# KiCad board Output-mixer.kicad_pcb (continued)
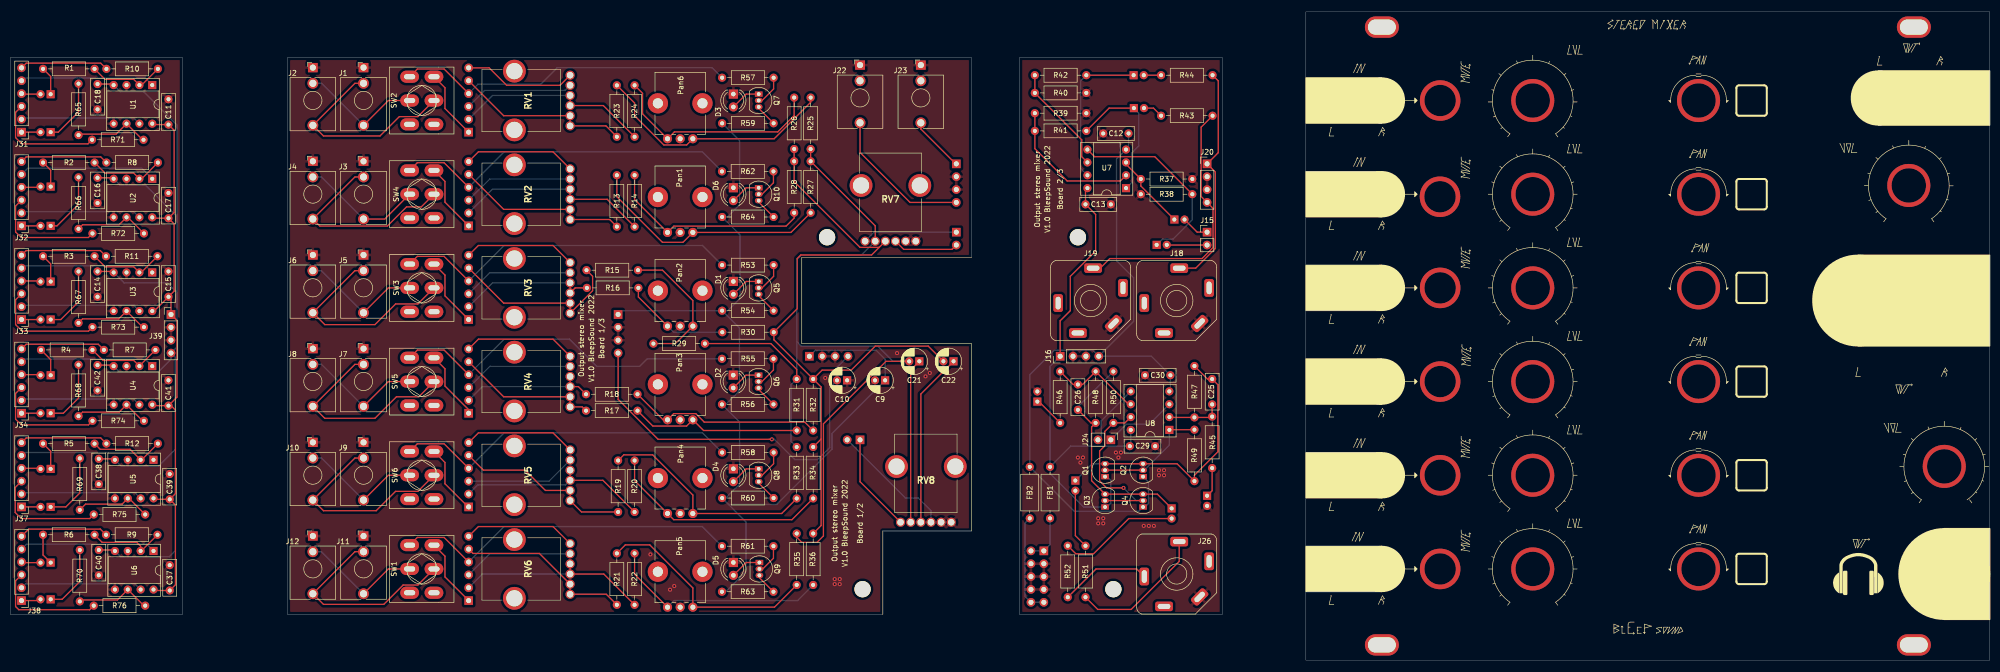
[diagram p0: board, top side]
## Nets
+12V: C9.1 C11.1 C13.1 C15.1 C17.1 C29.1 C37.1 C39.1 C41.1 FB1.1 J14.1 J16.1 J39.1 J40.1 Q1.1 Q3.1 R54.1 R56.1 R59.1 R60.1 R63.1 R64.1 U1.8 U2.8 U3.8 U4.8 U5.8 U6.8 U7.8 U8.8
-12V: C10.2 C12.2 C14.2 C16.2 C18.2 C30.1 C38.1 C40.1 C42.1 FB2.1 J14.4 J16.4 J39.4 J40.4 Q2.1 Q4.1 U1.4 U2.4 U3.4 U4.4 U5.4 U6.4 U7.4 U8.4
GND: C9.2 C10.1 C11.2 C12.1 C13.2 C14.1 C15.2 C16.1 C17.2 C18.1 C23.2 C24.2 C29.2 C30.2 C37.2 C38.2 C39.2 C40.2 C41.2 C42.2 D1.1 D2.1 D3.1 D4.1 D5.1 D6.1 J1.S J2.S J3.S J4.S J5.S J6.S J7.S J8.S J9.S J10.S J11.S J12.S J13.3 J13.4 J13.5 J13.6 J13.7 J13.8 J14.2 J14.3 J16.2 J16.3 J18.S J19.S J20.2 J20.3 J21.2 J21.3 J22.S J23.S J26.S J39.2 J39.3 J40.2 J40.3 Pan1.2 Pan2.2 Pan3.2 Pan4.2 Pan5.2 Pan6.2 R37.1 R38.1 R39.1 R40.1 RV7.3 RV7.6 RV8.3 RV8.6 U1.3 U1.5 U2.3 U2.5 U3.3 U3.5 U4.3 U4.5 U5.3 U5.5 U6.3 U6.5
/AmpL: C7.2 J15.1 J17.1 RV7.2
/AmpR: C8.2 J15.2 J17.2 RV7.5
/Headphones Amp/Head-L: J26.T R51.1
/Headphones Amp/Head-R: J26.R R52.1
/Headphones Amp/HeadAmpL: J24.1 J25.1 RV8.2 U8.3
/Headphones Amp/HeadAmpR: J24.2 J25.2 RV8.5 U8.5
/OutL: J19.T J20.4 J21.4 J22.T R43.1
/OutR: J18.T J20.1 J21.1 J23.T R44.1
L: C21.2 R25.2 R27.2 R29.2 R31.2 R33.2 R35.2 RV7.1
Left1_GOut: J27.3 J31.3 R71.1 RV1.6
Left1_In: C31.2 J27.1 J31.1 SW2.4
Left1_Out: J27.2 J31.2 R24.2 RV1.4 RV1.5 U1.7
Left2_GOut: J28.3 J32.3 R72.1 RV2.6
Left2_In: C32.2 J28.1 J32.1 SW4.4
Left2_Out: J28.2 J32.2 R14.2 RV2.4 RV2.5 U2.7
Left3_GOut: J29.3 J33.3 R73.1 RV3.6
Left3_In: C33.2 J29.1 J33.1 SW3.4
Left3_Out: J29.2 J33.2 R16.2 RV3.4 RV3.5 U3.7
Left4_GOut: J30.3 J34.3 R74.1 RV4.6
Left4_In: C34.2 J30.1 J34.1 SW5.4
Left4_Out: J30.2 J34.2 R18.2 RV4.4 RV4.5 U4.7
Left5_GOut: J35.3 J37.3 R75.1 RV5.6
Left5_In: C35.2 J35.1 J37.1 SW6.4
Left5_Out: J35.2 J37.2 R20.2 RV5.4 RV5.5 U5.7
Left6_GOut: J36.3 J38.3 R76.1 RV6.6
Left6_In: C36.2 J36.1 J38.1 SW1.4
Left6_Out: J36.2 J38.2 R22.2 RV6.4 RV6.5 U6.7
R: C22.2 R26.1 R28.1 R30.1 R32.1 R34.1 R36.1 RV7.4
Right1_GOut: J27.6 J31.6 R10.1 RV1.3
Right1_In: C1.2 J27.4 J31.4 R57.1 SW2.1
Right1_Out: J27.5 J31.5 R23.1 RV1.1 RV1.2 U1.1
Right2_GOut: J28.6 J32.6 R8.1 RV2.3
Right2_In: C2.2 J28.4 J32.4 R62.1 SW4.1
Right2_Out: J28.5 J32.5 R13.1 RV2.1 RV2.2 U2.1
Right3_GOut: J29.6 J33.6 R11.1 RV3.3
Right3_In: C3.2 J29.4 J33.4 R53.1 SW3.1
Right3_Out: J29.5 J33.5 R15.1 RV3.1 RV3.2 U3.1
Right4_GOut: J30.6 J34.6 R7.1 RV4.3
Right4_In: C4.2 J30.4 J34.4 R55.1 SW5.1
Right4_Out: J30.5 J34.5 R17.1 RV4.1 RV4.2 U4.1
Right5_GOut: J35.6 J37.6 R12.1 RV5.3
Right5_In: C5.2 J35.4 J37.4 R58.1 SW6.1
Right5_Out: J35.5 J37.5 R19.1 RV5.1 RV5.2 U5.1
Right6_GOut: J36.6 J38.6 R9.1 RV6.3
Right6_In: C6.2 J36.4 J38.4 R61.1 SW1.1
Right6_Out: J36.5 J38.5 R21.1 RV6.1 RV6.2 U6.1
Net-(C1-Pad1): C1.1 R1.2
Net-(C2-Pad1): C2.1 R2.2
Net-(C3-Pad1): C3.1 R3.2
Net-(C4-Pad1): C4.1 R4.2
Net-(C5-Pad1): C5.1 R5.2
Net-(C6-Pad1): C6.1 R6.2
Net-(C7-Pad1): C7.1 R37.2 U7.3
Net-(C8-Pad1): C8.1 R38.2 U7.5
Net-(C19-Pad1): C19.1 R41.1 U7.1
Net-(C19-Pad2): C19.2 R43.2
Net-(C20-Pad1): C20.1 R42.1 U7.7
Net-(C20-Pad2): C20.2 R44.2
Net-(C21-Pad1): C21.1 RV8.1
Net-(C22-Pad1): C22.1 RV8.4
Net-(C23-Pad1): C23.1 R45.1
Net-(C24-Pad1): C24.1 R46.1
Net-(C25-Pad1): C25.1 R45.2 R47.1 U8.2
Net-(C25-Pad2): C25.2 C27.1 Q1.3 Q2.3 R47.2 R49.2
Net-(C26-Pad1): C26.1 R46.2 R48.1 U8.6
Net-(C26-Pad2): C26.2 C28.1 Q3.3 Q4.3 R48.2 R50.2
Net-(C27-Pad2): C27.2 R51.2
Net-(C28-Pad2): C28.2 R52.2
Net-(C31-Pad1): C31.1 R65.2
Net-(C32-Pad1): C32.1 R66.2
Net-(C33-Pad1): C33.1 R67.2
Net-(C34-Pad1): C34.1 R68.2
Net-(C35-Pad1): C35.1 R69.2
Net-(C36-Pad1): C36.1 R70.2
Net-(D1-Pad2): D1.2 Q5.1
Net-(D2-Pad2): D2.2 Q6.1
Net-(D3-Pad2): D3.2 Q7.1
Net-(D4-Pad2): D4.2 Q8.1
Net-(D5-Pad2): D5.2 Q9.1
Net-(D6-Pad2): D6.2 Q10.1
Net-(FB1-Pad2): FB1.2 J13.1 J13.2
Net-(FB2-Pad2): FB2.2 J13.9 J13.10
Net-(J1-PadT): J1.T J2.TN SW2.2
Net-(J1-PadTN): J1.TN J2.T SW2.5
Net-(J3-PadT): J3.T J4.TN SW4.2
Net-(J3-PadTN): J3.TN J4.T SW4.5
Net-(J5-PadT): J5.T J6.TN SW3.2
Net-(J5-PadTN): J5.TN J6.T SW3.5
Net-(J7-PadT): J7.T J8.TN SW5.2
Net-(J7-PadTN): J7.TN J8.T SW5.5
Net-(J10-PadT): J9.TN J10.T SW6.5
Net-(J10-PadTN): J9.T J10.TN SW6.2
Net-(J11-PadT): J11.T J12.TN SW1.2
Net-(J11-PadTN): J11.TN J12.T SW1.5
Net-(Pan1-Pad1): Pan1.1 R13.2 R27.1
Net-(Pan1-Pad3): Pan1.3 R14.1 R28.2
Net-(Pan2-Pad1): Pan2.1 R15.2 R29.1
Net-(Pan2-Pad3): Pan2.3 R16.1 R30.2
Net-(Pan3-Pad1): Pan3.1 R17.2 R31.1
Net-(Pan3-Pad3): Pan3.3 R18.1 R32.2
Net-(Pan4-Pad1): Pan4.1 R19.2 R33.1
Net-(Pan4-Pad3): Pan4.3 R20.1 R34.2
Net-(Pan5-Pad1): Pan5.1 R21.2 R35.1
Net-(Pan5-Pad3): Pan5.3 R22.1 R36.2
Net-(Pan6-Pad1): Pan6.1 R23.2 R25.1
Net-(Pan6-Pad3): Pan6.3 R24.1 R26.2
Net-(Q1-Pad2): Q1.2 Q2.2 R49.1 U8.1
Net-(Q3-Pad2): Q3.2 Q4.2 R50.1 U8.7
Net-(Q5-Pad2): Q5.2 R53.2
Net-(Q5-Pad3): Q5.3 R54.2
Net-(Q6-Pad2): Q6.2 R55.2
Net-(Q6-Pad3): Q6.3 R56.2
Net-(Q7-Pad2): Q7.2 R57.2
Net-(Q7-Pad3): Q7.3 R59.2
Net-(Q8-Pad2): Q8.2 R58.2
Net-(Q8-Pad3): Q8.3 R60.2
Net-(Q9-Pad2): Q9.2 R61.2
Net-(Q9-Pad3): Q9.3 R63.2
Net-(Q10-Pad2): Q10.2 R62.2
Net-(Q10-Pad3): Q10.3 R64.2
Net-(R1-Pad1): R1.1 R10.2 U1.2
Net-(R2-Pad1): R2.1 R8.2 U2.2
Net-(R4-Pad1): R4.1 R7.2 U4.2
Net-(R6-Pad1): R6.1 R9.2 U6.2
Net-(R11-Pad2): R3.1 R11.2 U3.2
Net-(R12-Pad2): R5.1 R12.2 U5.2
Net-(R39-Pad2): R39.2 R41.2 U7.2
Net-(R40-Pad2): R40.2 R42.2 U7.6
Net-(R65-Pad1): R65.1 R71.2 U1.6
Net-(R66-Pad1): R66.1 R72.2 U2.6
Net-(R67-Pad1): R67.1 R73.2 U3.6
Net-(R68-Pad1): R68.1 R74.2 U4.6
Net-(R69-Pad1): R69.1 R75.2 U5.6
Net-(R70-Pad1): R70.1 R76.2 U6.6

Pads without a net: H1 1; H2 1; H3 1; H4 1; J18 R RN TN; J19 R RN TN; J22 TN; J23 TN; J26 RN TN; RV1 MH1 MH2; RV2 MH1 MH2; RV3 MH1 MH2; RV4 MH1 MH2; RV5 MH1 MH2; RV6 MH1 MH2; RV7 MH1 MH2; RV8 MH1 MH2; SW1 3 6; SW2 3 6; SW3 3 6; SW4 3 6; SW5 3 6; SW6 3 6

## Via types
v1: diameter 8.5, hole 6.8, Top to Bottom, 14 vias
v2: diameter 8, hole 6.2, Top to Bottom, 20 vias
v3: diameter 15, hole 11, Top to Bottom, 3 vias
v4: diameter 0.8, hole 0.4, Top to Bottom, 30 vias

## Routing (per net, layer and track width the routed paths; a pad name or vN(x,y) marks a point on that pad's centre or on a via; arc(x,y) is an arc through that point)
+12V: length 415.5
  Top w0.25: C17.1 32.37,86.13 32.37,72.87 C15.1 ; C17.1 28.23,87.25 U2.8 ; C17.1 32.37,88.37 32.37,104.63 C11.1 28.23,105.75 U1.8 ; U4.8 28.23,50.25 C41.1 ; C15.1 31.75,71.25 J39.1 32.92,67.08 32.92,51.92 C41.1 ; C15.1 28.43,68.93 U3.8 ; C41.1 31.75,50.25 32.62,49.38 32.62,32.87 C39.1 ; J16.1 207.25,67 209.25,69 209.25,75.78 214.25,80.78 214.25,88 C13.1 212.25,92.82 U7.8 ; C39.1 32.62,30.63 32.62,14.87 C37.1 28.48,13.75 U6.8 ; C39.1 28.48,31.75 U5.8
  Bottom w0.25: R54.1 141.66,69 144.05,71.39 144.05,83.98 R64.1 141.55,87.5 143.97,89.92 143.97,102.56 R59.1 ; R54.1 143.94,65.59 143.94,53.19 141.25,50.5 R56.1 143.97,47.03 143.97,34.73 141.25,32 R60.1 145.25,27.28 145.25,17.5 141.25,13.5 R63.1 ; R54.1 120.75,69 J40.1 ; FB1.1 205.25,36.86 211.88,30.23 Q3.1 216.48,30.23 217.25,31 217.25,35.5 216.52,36.23 Q1.1 ; FB1.1 209.34,42.25 C29.1 221.18,42.43 U8.8 ; FB1.1 205.25,58 J16.1 ; 141.79,30.74 151.29,30.74 162.2,41.65 162.2,44.74 C9.1 172.71,59.41 170.94,61.17 158.92,61.17 J14.1
-12V: length 403.5
  Top w0.25: C16.2 20.23,95.25 U2.4 ; U3.4 20.23,76.75 C14.2 ; U5.4 20.48,39.75 C38.1 ; C18.2 20.23,113.75 U1.4 ; v4(150.35,43.6) 127.89,43.6 120,51.49 J40.4 ; C42.1 20.23,58.25 U4.4 ; C40.1 20.48,21.75 U6.4
  Bottom w0.25: J39.4 32.92,61.8 32.92,72.58 ; J39.4 31.75,59.43 29.25,56.93 21.55,56.93 U4.4 ; J39.4 32.6,59.78 32.6,41.6 ; U5.4 21.98,38.25 29.25,38.25 32.6,41.6 ; 32.6,41.6 32.62,41.58 32.62,21.62 31.43,20.43 21.8,20.43 U6.4 ; Q2.1 224.68,35.16 224.68,30.93 223.98,30.23 Q4.1 222.76,29.38 210.03,29.38 FB2.1 201.25,56.35 206.08,61.17 213.7,61.17 J16.4 ; C12.2 220.75,101.32 U7.4 218.38,98.95 218.38,78.87 221.75,75.5 221.75,66.88 J16.4 ; 32.92,72.58 32.92,87.08 ; 32.92,72.58 31,74.5 22.48,74.5 U3.4 ; J14.4 163.21,57.84 C10.2 161.75,53.79 161.75,41.97 159.38,39.6 154.85,39.6 150.85,43.6 v4(150.35,43.6) ; U1.4 21.73,112.25 26.34,112.25 32.92,105.67 32.92,87.08 ; U2.4 21.73,93.75 26.75,93.75 32.92,87.58 32.92,87.08 ; J16.4 225.25,60 C30.1 229,53.27 U8.4
GND:
  vias: v4(126.38,20.88) v4(130.25,13.9) v4(131.07,14.62) v4(160.88,55.72) v4(162.75,16) v4(162.75,15) v4(163.75,16) v4(163.75,15) v4(175.05,60.62) v4(180.68,56.03) v4(181.53,56.7) v4(210.75,40) v4(211.25,39) v4(211.75,40) v4(214.75,28) v4(214.75,27) v4(215.75,28) v4(215.75,27) v4(218.25,41) v4(218.75,40) v4(219.25,41) v4(223.75,26.5) v4(224.75,26.5) v4(225.75,26.5) v4(226.75,37.5) v4(226.75,36.5) v4(227.75,37.5) v4(227.75,36.5)
(no net):
  vias: v1(300.52,110.5) v1(300.52,92) v1(300.52,73.5) v1(300.52,55) v1(300.52,36.5) v1(300.52,18) v1(333.25,110.5) v1(333.25,92) v1(333.25,73.5) v1(333.25,55) v1(333.25,36.5) v1(333.25,18) v1(374.75,93.72) v1(381.75,38.25) v2(260.72,110.5) v2(260.72,92) v2(260.72,73.5) v2(260.72,55) v2(260.72,36.5) v2(260.72,18) v2(270.72,110.5) v2(270.72,92) v2(270.72,73.5) v2(270.72,55) v2(270.72,36.5) v2(270.72,18) v2(282.25,110.5) v2(282.22,91.5) v2(282.25,73.5) v2(282.25,55) v2(282.25,36.5) v2(282.25,18) v2(368.75,111) v2(380.75,111) v3(364.75,71) v3(381.75,71) v3(381.75,17)
/AmpL: length 24.2
  Top w0.25: J15.1 234.29,84.5 C7.2
  Bottom w0.25: RV7.2 170.53,84.5 J17.1
/AmpR: length 21
  Top w0.25: RV7.5 176.37,81.11 185.9,81.11 J17.2 ; C8.2 228.33,81.96 J15.2
/Headphones Amp/Head-L: length 27.3
  Top w0.25: J26.T 230.75,19.5 221.25,10 214.67,10 R51.1
/Headphones Amp/Head-R: length 18
  Top w0.25: J26.R 222.35,18 214.33,18 R52.1
/Headphones Amp/HeadAmpL: length 34.1
  Top w0.25: J25.1 167.75,35.22 RV8.2
  Bottom w0.25: J24.1 220.32,46.57 224.84,46.57 U8.3
/Headphones Amp/HeadAmpR: length 36.9
  Bottom w0.25: U8.5 215.37,47.26 215.37,44.16 J24.2 ; RV8.5 181.75,29.5 179.25,32 176.71,32 J25.2
/OutL: length 82.2
  Top w0.25: J21.4 177.62,90.38 167.75,100.25 J22.T ; J19.T 215.15,77.4 217.04,79.29 235.25,79.29 237.42,81.46 237.42,89.21 J20.4 235.08,91.55 235.08,105.25 R43.1
/OutR: length 56.1
  Top w0.25: J21.1 186.63,98 179.75,104.88 J23.T ; J18.T 234,77.4 237.87,81.27 237.87,96.38 J20.1 238.45,100.2 238.45,114.38 R44.1
L: length 175.5
  Top w0.25: R31.2 155.25,57.4 150.15,62.5 R29.2 ; RV7.1 170.75,85.75 R27.2 R25.2 ; R35.2 155.25,24.25 156.25,23.25 159.25,23.25 160.52,24.52 160.52,46.66 172.86,59 C21.2
  Bottom w0.25: C21.2 174.25,59 171.25,62 156.15,62 155.25,62.9 ; RV7.1 168.03,80 156.15,80 155.25,79.1 155.25,62.9 ; 155.25,62.9 R31.2 154.13,54.38 154.13,43.2 R33.2
Left1_GOut: length 44.3
  Top w0.25: R71.1 15.37,101.95 2.3,101.95 1.08,103.17 1.08,108.16 J31.3
  Bottom w0.25: RV1.6 109.53,112.5 93.67,112.5 J27.3
Left1_In: length 17.5
  Top w0.25: J31.1 C31.2 ; J27.1 85.82,108.93 85.82,113.03 SW2.4
Left1_Out: length 63.1
  Top w0.25: R24.2 117.09,109.5 RV1.4 RV1.5
  Bottom w0.25: J31.2 2.51,107.05 24.39,107.05 U1.7 ; RV1.5 95.21,111.5 J27.2
Left2_GOut: length 44.5
  Top w0.25: J32.3 1.08,89.66 1.08,84.55 2.18,83.45 15.45,83.45 R72.1
  Bottom w0.25: RV2.6 94.67,95 J28.3
Left2_In: length 17.5
  Top w0.25: J32.1 C32.2 ; J28.1 85.82,90.43 85.82,94.53 SW4.4
Left2_Out: length 62.8
  Top w0.25: RV2.5 RV2.4 117.84,91 R14.2
  Bottom w0.25: J32.2 2.51,88.55 24.39,88.55 U2.7 ; RV2.5 95.21,93 J28.2
Left3_GOut: length 44.4
  Top w0.25: J33.3 1.08,71.16 1.08,66.25 2.38,64.95 15.45,64.95 R73.1
  Bottom w0.25: J29.3 94.67,76.5 RV3.6
Left3_In: length 17.5
  Top w0.25: SW3.4 85.82,76.03 85.82,71.93 J29.1 ; J33.1 C33.2
Left3_Out: length 51.5
  Top w0.25: R16.2 111.53,73.5 RV3.4 RV3.5
  Bottom w0.25: J29.2 95.21,74.5 RV3.5 ; U3.7 24.39,70.05 2.51,70.05 J33.2
Left4_GOut: length 44.5
  Top w0.25: R74.1 15.45,46.45 2.2,46.45 1.08,47.58 1.08,52.66 J34.3
  Bottom w0.25: J30.3 94.67,58 RV4.6
Left4_In: length 17.5
  Top w0.25: SW5.4 85.82,57.53 85.82,54.13 90.5,49.45 J30.1 ; J34.1 C34.2
Left4_Out: length 50.7
  Top w0.25: RV4.5 RV4.4 112.17,54 R18.2
  Bottom w0.25: J30.2 93.21,54 RV4.4 ; U4.7 24.39,51.55 2.51,51.55 J34.2
Left5_GOut: length 44.8
  Top w0.25: J37.3 1,34.08 1,29.15 2.2,27.95 15.7,27.95 R75.1
  Bottom w0.25: J35.3 106.36,35.33 RV5.6
Left5_In: length 17.6
  Top w0.25: J35.1 90.4,30.25 85.82,34.83 85.82,39.03 SW6.4 ; J37.1 C35.2
Left5_Out: length 62.5
  Top w0.25: R20.2 117,35.5 RV5.4 RV5.5
  Bottom w0.25: J35.2 92.31,34.6 109.62,34.6 RV5.4 ; U5.7 24.64,33.05 2.51,33.05 J37.2
Left6_GOut: length 44.5
  Top w0.25: R76.1 15.7,9.95 1.7,9.95 1.08,10.58 1.08,15.66 J38.3
  Bottom w0.25: J36.3 94.67,21 RV6.6
Left6_In: length 17.6
  Top w0.25: C36.2 5.75,11.75 J38.1 ; SW1.4 85.82,20.53 85.82,16.43 J36.1
Left6_Out: length 62.7
  Top w0.25: RV6.5 RV6.4 117.17,17 R22.2
  Bottom w0.25: J36.2 93.21,17 RV6.4 ; U6.7 24.64,15.05 3.01,15.05 J38.2
R: length 140
  Top w0.25: R36.1 160.07,26.57 160.07,43.65 ; C22.2 181.21,62 170.75,62 166,57.25 160.25,57.25 R32.1 ; R34.1 160.07,43.65 ; 160.07,43.65 160.07,53.93 R32.1 ; 171.53,81.5 167.75,81.5 154.75,94.5 R28.1 R26.1 ; 171.53,81.5 170.03,80 156.05,80 155.35,79.3 155.35,69.38 R30.1 150.75,64.72 150.75,63.25 R32.1 ; 171.53,81.5 RV7.4
Right1_GOut: length 39.9
  Top w0.25: J31.6 3.17,117.87 17.88,117.87 R10.1 ; J27.6 94.55,116.95 98,113.5 108.53,113.5 RV1.3
Right1_In: length 71.1
  Top w0.25: C1.2 2.37,111.75 J31.4 ; SW2.1 80.37,116.72 85.65,116.72 J27.4
  Bottom w0.25: R57.1 138.53,117 108,117 104.73,113.73 92.36,113.73 J27.4
Right1_Out: length 61.6
  Top w0.25: R23.1 117.59,105.5 RV1.2 RV1.1 97.41,107.5 J27.5
  Bottom w0.25: U1.1 26.65,114.95 2.79,114.95 J31.5
Right2_GOut: length 39.8
  Top w0.25: J28.6 92.42,100.37 107.15,100.37 RV2.3 ; J32.6 3.17,99.37 17.88,99.37 R8.1
Right2_In: length 72.6
  Top w0.25: SW4.1 80.37,98.22 85.65,98.22 J28.4 ; C2.2 5.87,93.37 J32.4
  Bottom w0.25: R62.1 136.63,100.37 97.5,100.37 J28.4
Right2_Out: length 61.9
  Top w0.25: R13.1 118.34,87 RV2.2 RV2.1 97.41,89 J28.5
  Bottom w0.25: J32.5 3.47,97.13 25.97,97.13 U2.1
Right3_GOut: length 39.7
  Top w0.25: RV3.3 107.15,81.87 92.42,81.87 J29.6 ; R11.1 17.8,80.87 3.17,80.87 J33.6
Right3_In: length 72.6
  Top w0.25: J29.4 85.65,79.72 80.37,79.72 SW3.1 ; J33.4 5.88,74.87 C3.2
  Bottom w0.25: R53.1 136.66,81.87 97.5,81.87 J29.4
Right3_Out: length 62.3
  Top w0.25: J29.5 97.41,70.5 RV3.1 RV3.2 114.96,72.94 114.96,75.8 R15.1
  Bottom w0.25: U3.1 26.73,77.87 2.71,77.87 J33.5
Right4_GOut: length 39.3
  Top w0.25: RV4.3 107.15,63.37 92.42,63.37 J30.6 ; R7.1 17.39,62.37 3.17,62.37 J34.6
Right4_In: length 73.8
  Top w0.25: J30.4 85.65,61.22 80.37,61.22 SW5.1 ; C4.2 5.88,56.37 J34.4
  Bottom w0.25: R55.1 125.75,59.5 124.25,58 115.75,58 110.38,63.37 97.5,63.37 J30.4
Right4_Out: length 55
  Top w0.25: J30.5 97.41,52 RV4.1 RV4.2 112.92,50 R17.1
  Bottom w0.25: U4.1 26.65,59.45 2.79,59.45 J34.5
Right5_GOut: length 39.8
  Top w0.25: R12.1 17.88,43.87 3.17,43.87 J37.6 ; RV5.3 107.15,44.87 92.42,44.87 J35.6
Right5_In: length 72.6
  Top w0.25: SW6.1 80.37,42.72 85.65,42.72 J35.4 ; C5.2 5.88,37.87 J37.4
  Bottom w0.25: R58.1 136.66,44.87 97.5,44.87 J35.4
Right5_Out: length 62.2
  Top w0.25: R19.1 112.78,29.25 RV5.2 RV5.1 105.65,33.5 101.65,37.5 93.41,37.5 J35.5
  Bottom w0.25: U5.1 26.85,41 2.84,41 J37.5
Right6_GOut: length 39.9
  Top w0.25: RV6.3 107.15,26.37 92.42,26.37 J36.6 ; R9.1 17.8,25.87 3.67,25.87 J38.6
Right6_In: length 72.6
  Top w0.25: C6.2 2.37,19.25 J38.4 ; SW1.1 80.37,24.22 85.65,24.22 J36.4
  Bottom w0.25: R61.1 136.63,26.37 97.5,26.37 J36.4
Right6_Out: length 62
  Top w0.25: R21.1 117.67,13 RV6.2 RV6.1 104.47,21.06 91.35,21.06 J36.5
  Bottom w0.25: U6.1 26.98,22.87 3.21,22.87 J38.5
Net-(C1-Pad1): length 5.6
  Top w0.25: C1.1 8,115.25 R1.2
Net-(C2-Pad1): length 5.4
  Top w0.25: R2.2 8,96.75 C2.1
Net-(C3-Pad1): length 5.6
  Top w0.25: C3.1 8,78.25 R3.2
Net-(C4-Pad1): length 5.8
  Top w0.25: R4.2 8,59.34 C4.1
Net-(C5-Pad1): length 5.6
  Top w0.25: C5.1 8,41.25 R5.2
Net-(C6-Pad1): length 6.1
  Top w0.25: R6.2 6.5,20.75 C6.1
Net-(C7-Pad1): length 15.2
  Top w0.25: C7.1 223.17,93.62 R37.2 220.25,97.92 U7.3
Net-(C8-Pad1): length 38.5
  Top w0.25: U7.5 214.05,99.4 225.93,99.4 R38.2
  Bottom w0.25: R38.2 233.33,86.94 229.51,83.12 227.42,83.12 C8.1
Net-(C19-Pad1): length 28.5
  Top w0.25: C19.1 216.91,109 R41.1
  Bottom w0.25: U7.1 221.37,94.32 221.37,100.12 222.75,101.5 222.75,108.04 C19.1
Net-(C19-Pad2): length 4
  Top w0.25: R43.2 225.67,109 C19.2
Net-(C20-Pad1): length 30.1
  Top w0.25: C20.1 R42.1
  Bottom w0.25: R42.1 211.29,114.38 211.29,97.08 U7.7
Net-(C20-Pad2): length 3.4
  Top w0.25: C20.2 R44.2
Net-(C21-Pad1): length 32.5
  Top w0.25: C21.1 177.75,57.29 RV8.1
Net-(C22-Pad1): length 34.4
  Top w0.25: RV8.4 179.75,52.54 C22.1
Net-(C23-Pad1): length 5.9
  Top w0.25: R45.1 237.25,33.46 C23.1
Net-(C24-Pad1): length 6.2
  Top w0.25: C24.1 203.05,51.04 R46.1
Net-(C25-Pad1): length 11
  Top w0.25: U8.2 228.87,47.92 R47.1 237.09,47.92 R45.2 C25.1
Net-(C25-Pad2): length 53.4
  Top w0.25: Q1.3 Q2.3 230.32,38.77 R49.2 233.75,36.5 238.37,41.12 238.37,54.38 C25.2 236.33,55.5 R47.2
  Bottom w0.25: C27.1 213.56,38.77 Q1.3
Net-(C26-Pad1): length 18.7
  Top w0.25: U8.6 220.72,50.53 R48.1 211.67,54.42 C26.1 209.83,54.42 R46.2
Net-(C26-Pad2): length 44.9
  Top w0.25: C28.1 226.44,32.77 Q4.3 Q3.3 213.45,35.43 213.45,46.04 R48.2 213.33,46.84 C26.2
  Bottom w0.25: R50.2 210.75,50 C26.2
Net-(C27-Pad2): length 11.7
  Top w0.25: R51.2 210.25,24.58 C27.2
Net-(C28-Pad2): length 24
  Top w0.25: R52.2 210.33,21 213.84,21 220.79,27.96 C28.2
Net-(C31-Pad1): length 12.7
  Top w0.25: C31.1 9.5,104.25 13.5,108.25 R65.2
Net-(C32-Pad1): length 12.6
  Top w0.25: R66.2 13.5,90 9.25,85.75 C32.1
Net-(C33-Pad1): length 12.9
  Top w0.25: C33.1 10,67.25 13.5,70.75 R67.2
Net-(C34-Pad1): length 13.3
  Top w0.25: R68.2 13.5,51.75 10.5,48.75 C34.1
Net-(C35-Pad1): length 13.7
  Top w0.25: C35.1 11,30.25 13.75,33 R69.2
Net-(C36-Pad1): length 13.4
  Top w0.25: C36.1 10.25,12 13.75,15.5 R70.2
Net-(D1-Pad2): length 6.1
  Top w0.25: D1.2 145.28,74.77 Q5.1
Net-(D2-Pad2): length 6.1
  Top w0.25: D2.2 145.25,56.27 Q6.1
Net-(D3-Pad2): length 6.1
  Top w0.25: Q7.1 145.29,111.78 D3.2
Net-(D4-Pad2): length 6.1
  Top w0.25: Q8.1 145.28,37.77 D4.2
Net-(D5-Pad2): length 6.2
  Top w0.25: D5.2 145.28,19.27 Q9.1
Net-(D6-Pad2): length 6.1
  Top w0.25: D6.2 145.28,93.27 Q10.1
Net-(FB1-Pad2): length 9.5
  Bottom w0.25: J13.2 J13.1 205.25,22.8 FB1.2
Net-(FB2-Pad2): length 20
  Bottom w0.25: FB2.2 200.31,27.06 200.31,12.59 J13.10 J13.9
Net-(J1-PadT): length 24.6
  Top w0.25: SW2.2 74.65,110.5 J1.T
  Bottom w0.25: J2.TN 61.45,113.9 J1.T
Net-(J1-PadTN): length 41.1
  Top w0.25: J1.TN 68.05,113.9 J2.T 61.85,103.5 73,103.5 76.82,107.32 80.47,107.32 SW2.5
Net-(J3-PadT): length 24.6
  Top w0.25: J3.T 73.95,87.1 SW4.2
  Bottom w0.25: J3.T 61.45,95.4 J4.TN
Net-(J3-PadTN): length 40.5
  Top w0.25: SW4.5 81.15,89.5 78.24,89.5 74.45,85.71 61.14,85.71 J4.T 68.05,95.4 J3.TN
Net-(J5-PadT): length 24.6
  Top w0.25: J5.T 74.65,73.5 SW3.2
  Bottom w0.25: J5.T 61.45,76.9 J6.TN
Net-(J5-PadTN): length 41.3
  Top w0.25: SW3.5 80.47,70.32 76.07,70.32 72,66.25 62.1,66.25 J6.T 68.05,76.9 J5.TN
Net-(J7-PadT): length 24.6
  Top w0.25: SW5.2 74.65,55 J7.T
  Bottom w0.25: J8.TN 61.45,58.4 J7.T
Net-(J7-PadTN): length 41.3
  Top w0.25: SW5.5 80.65,52 76.25,52 72,47.75 62.1,47.75 J8.T 68.05,58.4 J7.TN
Net-(J10-PadT): length 41.1
  Top w0.25: J9.TN 68.05,39.9 J10.T 61.85,29.5 72.25,29.5 76.07,33.32 80.47,33.32 SW6.5
Net-(J10-PadTN): length 24.6
  Top w0.25: SW6.2 74.65,36.5 J9.T
  Bottom w0.25: J9.T 61.45,39.9 J10.TN
Net-(J11-PadT): length 24.6
  Top w0.25: SW1.2 74.65,18 J11.T
  Bottom w0.25: J11.T 61.45,21.4 J12.TN
Net-(J11-PadTN): length 41.1
  Top w0.25: SW1.5 80.47,14.82 77.57,14.82 73.74,11 61.85,11 J12.T 68.05,21.4 J11.TN
Net-(Pan1-Pad1): length 48.6
  Top w0.25: R13.2 119.75,91.5 128.75,82.5 132.8,82.5 Pan1.1 154.11,84.45 R27.1
Net-(Pan1-Pad3): length 41.2
  Top w0.25: R14.1 123.25,90.95 Pan1.3 131,85.7 153.15,85.7 154.75,87.3 R28.2
Net-(Pan2-Pad1): length 27.6
  Top w0.25: R29.1 131.3,62.5 Pan2.1 134.75,71 128.75,77 R15.2
Net-(Pan2-Pad3): length 21.3
  Top w0.25: Pan2.3 124,71.7 R16.1
  Bottom w0.25: R30.2 140.54,64.73 130.97,64.73 Pan2.3
Net-(Pan3-Pad1): length 34.1
  Top w0.25: R17.2 126.85,46.23 133.53,46.23 Pan3.1 136.86,45.34 R31.1
Net-(Pan3-Pad3): length 38.7
  Top w0.25: R32.2 156.84,47 137,47 135.33,48.67 130.97,48.67 Pan3.3 128.88,47.45 R18.1
Net-(Pan4-Pad1): length 43.9
  Top w0.25: R19.2 121.12,40.53 126.82,40.53 134.75,32.6 Pan4.1 152.28,28.95 R33.1
Net-(Pan4-Pad3): length 44.1
  Top w0.25: R34.2 154.31,27.73 130.97,27.73 Pan4.3 123.25,35.45 R20.1
Net-(Pan5-Pad1): length 45.3
  Top w0.25: R35.1 150.86,10.45 Pan5.1 134.75,14.25 126.25,22.75 121.42,22.75 R21.2
Net-(Pan5-Pad3): length 43.9
  Top w0.25: R22.1 123.25,16.95 Pan5.3
  Bottom w0.25: R36.2 155.41,11.75 131.05,11.75 Pan5.3
Net-(Pan6-Pad1): length 49
  Top w0.25: R25.1 158,110.15 150.8,102.95 Pan6.1 133.53,101.73 129.02,101.73 123.25,107.5 123.25,110 R23.2
Net-(Pan6-Pad3): length 43.7
  Top w0.25: R26.2 154.75,107.54 151.51,104.3 131.1,104.3 Pan6.3 124.82,107.88 124.82,111.93 R24.1
Net-(Q1-Pad2): length 22.7
  Top w0.25: R49.1 228.85,45.5 U8.1 ; Q2.2 Q1.2
  Bottom w0.25: Q2.2 223.84,37.5 228.8,42.47 U8.1
Net-(Q3-Pad2): length 34.2
  Top w0.25: Q4.2 Q3.2 ; U8.7 220.03,46.84 R50.1 216.08,45.17 216.08,42.33 215.04,41.29 215.04,35.38 216.42,34 v4(219.75,34)
  Bottom w0.25: Q4.2 222.25,31.5 v4(219.75,34)
Net-(Q5-Pad2): length 6.1
  Top w0.25: Q5.2 148.4,73.5 150.69,75.79 R53.2
Net-(Q5-Pad3): length 4.4
  Top w0.25: Q5.3 147.75,71.94 R54.2
Net-(Q6-Pad2): length 6.1
  Top w0.25: R55.2 150.66,57.29 148.37,55 Q6.2
Net-(Q6-Pad3): length 4.4
  Top w0.25: R56.2 147.72,53.44 Q6.3
Net-(Q7-Pad2): length 6.1
  Top w0.25: R57.2 150.69,112.79 148.4,110.5 Q7.2
Net-(Q7-Pad3): length 4.4
  Top w0.25: Q7.3 147.75,108.94 R59.2
Net-(Q8-Pad2): length 6.1
  Top w0.25: R58.2 150.69,38.79 148.4,36.5 Q8.2
Net-(Q8-Pad3): length 4.4
  Top w0.25: Q8.3 147.75,34.94 R60.2
Net-(Q9-Pad2): length 6
  Top w0.25: R61.2 150.66,20.12 148.54,18 Q9.2
Net-(Q9-Pad3): length 4.4
  Top w0.25: Q9.3 147.89,16.27 R63.2
Net-(Q10-Pad2): length 6.1
  Top w0.25: Q10.2 148.4,92 150.66,94.26 R62.2
Net-(Q10-Pad3): length 4.4
  Top w0.25: R64.2 147.75,90.44 Q10.3
Net-(R1-Pad1): length 15.2
  Top w0.25: R10.2 25.96,113.55 U1.2 24.39,114.67 18.74,114.67 R1.1
Net-(R2-Pad1): length 15.2
  Top w0.25: R8.2 25.96,95.05 U2.2 24.39,96.17 18.74,96.17 R2.1
Net-(R4-Pad1): length 15.1
  Top w0.25: R7.2 25.51,58.09 U4.2 24.39,59.17 18.33,59.17 R4.1
Net-(R6-Pad1): length 15.6
  Top w0.25: R9.2 25.88,21.55 U6.2 25.76,22.49 25,23.25 18.16,23.25 R6.1
Net-(R11-Pad2): length 15.1
  Top w0.25: R11.2 25.88,76.55 U3.2 24.39,77.67 18.74,77.67 R3.1
Net-(R12-Pad2): length 15.2
  Top w0.25: R5.1 17.78,41.63 23.68,41.63 U5.2 25.96,39.55 R12.2
Net-(R39-Pad2): length 28.1
  Top w0.25: U7.2 219.13,94.62 208.63,94.62 202.25,101 R41.2 R39.2
Net-(R40-Pad2): length 21.5
  Top w0.25: U7.6 211.51,99.4 211.51,102.74 R40.2 R42.2
Net-(R65-Pad1): length 15.1
  Top w0.25: R71.2 26.15,102.75 U1.6 20.91,103.87 13.7,103.87 R65.1
Net-(R66-Pad1): length 15.2
  Top w0.25: R72.2 23.23,87.43 U2.6 21.51,85.97 14.3,85.97 R66.1
Net-(R67-Pad1): length 15.2
  Top w0.25: R67.1 14.3,67.39 21.43,67.39 U3.6 26.15,65.75 R73.2
Net-(R68-Pad1): length 15.2
  Top w0.25: R68.1 14.3,48.97 21.51,48.97 U4.6 26.15,47.25 R74.2
Net-(R69-Pad1): length 15.2
  Top w0.25: R69.1 14.89,30.81 22.1,30.81 U5.6 23.48,31.93 R75.2
Net-(R70-Pad1): length 15.2
  Top w0.25: R76.2 26.4,10.75 U6.6 21.16,11.87 14.03,11.87 R70.1

## Copper pours and planes (outline as drawn; the poured copper is in the pictures)
GND on Top, Bottom: 239.25,9 199.25,9 199.25,119 239.25,119
GND on Top, Bottom: 189.75,79.5 156.25,79.5 156.25,62.5 189.75,62.5 189.75,25.5 172.25,25.5 172.25,9 54.75,9 54.75,119 189.75,119
GND on Top, Bottom: 34,9 0,9 0,119 34,119

## Text on the board
B.Silkscreen: JLCJLCJLCJLC | Output stereo mixer | V1.0 BleepSound 2022 | Board 3/3
User.Drawings: 27Hp
F.Silkscreen: Output stereo mixer | V1.0 BleepSound 2022 | Board 1/3 | Board 1/2 | Board 2/3
